# Altium PCB PCB.PcbDoc (part 2 of 2)
Units mm, origin at the board's own origin, x right, y up, seen from the top; angles counter-clockwise.
Board outline 26 x 50 mm, 4 copper layers (Top, GND, Power, Bottom), stack 0.785 mm thick; 138 components, 93 nets, 461 pads, 248 vias.
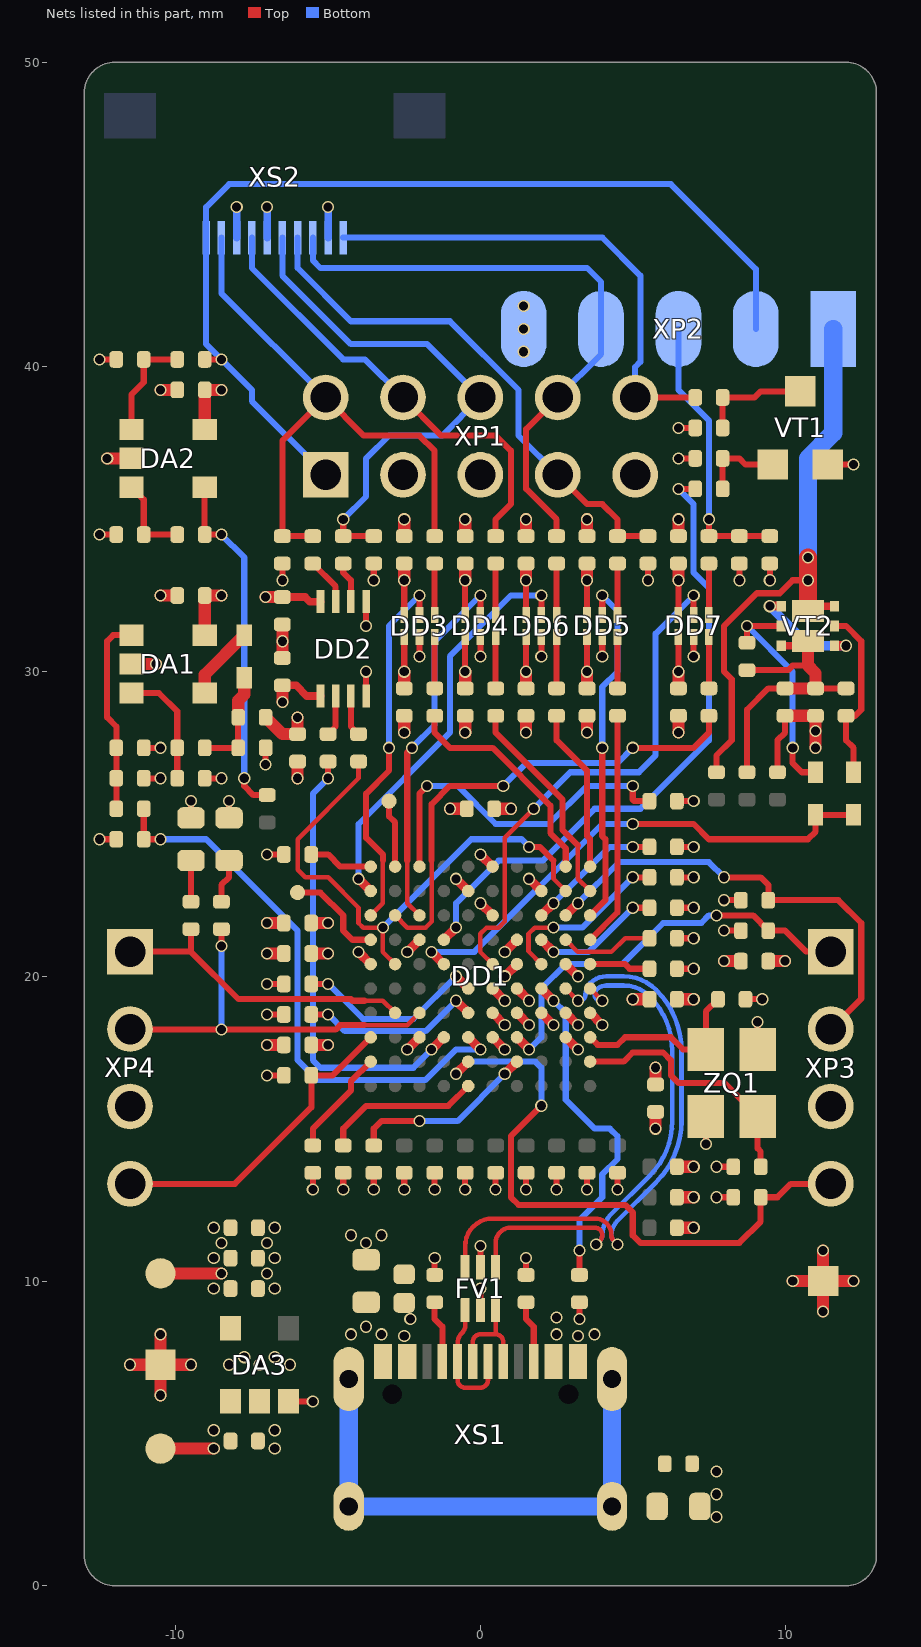
[diagram p4: the nets of this part, all layers, seen from the top]

## Via types
v1: diameter 0.4, hole 0.3, Top to Bottom, tented both sides, 248 vias

## Nets (pads, with @x,y where several pads share a name; then routed paths per layer and width w, separated by ;. In a path a pad name is that pad's centre, name@x,y a point inside that pad or via, vN(x,y) a via of type N, cw(c..) or ccw(c..) an arc to the next point about the centre after c; other vN are vias at no path point) (continued)
GND: C1.2 C2.1 C3.1 C4.1 C5.1 C6.1 C7.1 C8.1 C9.1 C10.1 C11.1 C12.1 C13.1 C14.1 C15.1 C16.1 C17.1 C18.1 C19.1 C20.1 C21.1 C22.1 C23.1 C24.1 C25.1 C26.1 C27.1 C28.1 C29.1 C30.1 C31.1 C32.2 C33.1 C34.1 C35.2 C36.2 C37.2 DA1.2 DA2.2 DA3.2 DD1.C2 DD1.C8 DD1.D3 DD1.D4 DD1.D5 DD1.F2 DD1.G4 DD1.G8 DD1.H5 DD1.J3 DD1.J6 DD2.4 DD2.5 DD3.2 DD4.2 DD5.2 DD6.2 DD7.2 FV1.2 KT5.1 KT6.1 R1.2 R2.1 R3.1 R4.1 R6.1 R7.1 R9.1 R11.1 R12.1 R17.2 R18.2 R19.2 R32.2 R42.1 R43.1 R44.1 R46.1 R47.1 R57.1 R59.2 R63.2 R64.2 R67.2 VT1.2 XP1.3 XP1.5 XP1.9 XP2.5 XP3.3 XP4.3 XS1.A1 XS1.A12 XS1.B1 XS1.B12 XS2.3 XS2.5 XS2.9 ZQ1.2 ZQ1.4 | length 56.1
  Top w0.2: v1(-12.5,24.5) R47.1@-11.95,24.5 ; v1(-12.5,34.5) R64.2@-11.95,34.5 ; v1(-12.5,40.25) R59.2@-11.95,40.25 ; C21.1@-11.05,26.5 v1(-10.5,26.5) ; R57.1@-11.05,27.5 v1(-10.5,27.5) ; R63.2@-9.05,26.5 v1(-8.5,26.5) ; v1(-7.05,26.95) R67.2@-7.05,27.5 ; v1(-7,24) R18.2@-6.45,24 ; v1(-6.5,33) R43.1@-6.5,33.55 ; DD2.4@-3.75,29.2 v1(-3.75,30) ; v1(-3.75,31.5) DD2.5@-3.75,32.3 ; v1(-3.5,33) R42.1@-3.5,33.55 ; v1(-2.5,13) R11.1@-2.5,13.55 ; v1(-2,30.5) DD3.2@-2,31.137 ; R3.1@-1.5,10.2 v1(-1.5,10.75) ; v1(-1.5,13) C7.1@-1.5,13.55 ; v1(-0.5,13) R12.1@-0.5,13.55 ; FV1.2@0,9.05 v1(0,9.75) ; v1(0,30.5) DD4.2@0,31.137 ; v1(0.5,13) C8.1@0.5,13.55 ; R2.1@1.5,10.2 v1(1.5,10.75) ; v1(1.5,13) R7.1@1.5,13.55 ; v1(2,30.5) DD6.2@2,31.137 ; v1(2.5,13) C5.1@2.5,13.55 ; v1(3.5,13) R9.1@3.5,13.55 ; v1(4,30.5) DD5.2@4,31.137 ; v1(4.5,13) C6.1@4.5,13.55 ; v1(5.5,33) R44.1@5.5,33.55 ; R4.1@6.45,20.25 v1(7,20.25) ; R17.2@6.45,21.25 v1(7,21.25) ; R6.1@6.45,23.25 v1(7,23.25) ; R19.2@6.45,25.75 v1(7,25.75) ; v1(6.5,37) R32.2@7.05,37 ; v1(7,30.5) DD7.2@7,31.137 ; v1(7.4,14.5) ZQ1.2@7.4,15.4 ; v1(7.75,13.75) C4.1@8.3,13.75 ; v1(8.5,33) R46.1@8.5,33.55 ; C3.1@8.7,19.25 v1(9.25,19.25) ; ZQ1.4@9.1,17.6 v1(9.1,18.5) ; VT1.2@11.4,36.8 v1(12.25,36.8)
  Top w0.3: v1(-2.4,17.6) DD1.C8@-2,18 ; v1(-2.4,20.8) DD1.G8@-2,21.2 ; v1(-0.8,23.2) DD1.J6@-0.4,22.8 ; v1(0,22.4) DD1.H5@0.4,22 ; DD1.D5@0.4,18.8 v1(0.8,18.4) ; v1(0.8,20.8) DD1.G4@1.2,21.2 ; DD1.D4@1.2,18.8 v1(1.6,18.4) ; v1(1.6,23.2) DD1.J3@2,22.8 ; DD1.D3@2,18.8 v1(2.4,18.4) ; DD1.C2@2.8,18 v1(3.2,17.6) ; DD1.F2@2.8,20.4 v1(3.2,20)
  Top w0.4: v1(-12.25,37) DA2.2@-11.45,37 ; v1(-11.5,7.25) KT6.1@-10.5,7.25 ; DA1.2@-11.45,30.25 v1(-10.65,30.25) ; v1(-10.5,6.25) KT6.1@-10.5,7.25 ; v1(-10.5,8.25) KT6.1@-10.5,7.25 ; v1(-10.5,32.5) C23.1@-9.95,32.5 ; v1(-10.5,39.25) C24.1@-9.95,39.25 ; v1(-9.5,7.25) KT6.1@-10.5,7.25 ; v1(-7,17.75) C31.1@-6.45,17.75 ; v1(-7,20.75) C25.1@-6.45,20.75 ; v1(-7,21.75) C27.1@-6.45,21.75 ; C9.1@-6.5,30.45 C15.1@-6.5,31.55 ; v1(-6,26.5) C22.1@-6,27.05 ; v1(-2.5,28) C10.1@-2.5,28.55 ; C16.1@-2.5,34.45 v1(-2.5,35) ; v1(-0.5,28) C12.1@-0.5,28.55 ; C18.1@-0.5,34.45 v1(-0.5,35) ; C29.1@0.45,25.5 v1(1,25.5) ; v1(1.5,28) C13.1@1.5,28.55 ; C19.1@1.5,34.45 v1(1.5,35) ; v1(3.5,28) C14.1@3.5,28.55 ; C20.1@3.5,34.45 v1(3.5,35) ; v1(5.75,15) C26.1@5.75,15.55 ; C34.1@6.45,12.75 v1(7,12.75) ; C33.1@6.45,13.75 v1(7,13.75) ; C30.1@6.45,19.25 v1(7,19.25) ; v1(6.5,28) C11.1@6.5,28.55 ; C17.1@6.5,34.45 v1(6.5,35) ; C28.1@9.45,20.5 v1(10,20.5) ; v1(10.25,10) KT5.1@11.25,10 ; v1(11.25,9) KT5.1@11.25,10 ; v1(11.25,11) KT5.1@11.25,10 ; v1(12.25,10) KT5.1@11.25,10
  Bottom w0.25: XS2.3@-8,44.25 v1(-8,45.25) ; XS2.5@-7,44.25 v1(-7,45.25) ; XS2.9@-5,44.25 v1(-5,45.25)
  other v1: 7.75,2.25 7.75,3 7.75,3.75 -6.75,4.5 -6.75,5.1 -8.25,7.25 -7.25,7.25 -6.25,7.25 -7.75,7.5 -6.75,7.5 3.2,8.2 -4.25,8.25 -3.25,8.25 3.75,8.25 -3.75,8.5 -6.75,9.75 -7,10.25 -6.75,10.75 -7,11.25 -6.75,11.75 -6.5,31 1.42,40.5 1.42,41.25 1.42,42
I2C_SCL: DD1.D6 R8.2 | length 6
  Top w0.2: R8.2@-5.55,18.75 v1(-5,18.75)
  Top w0.3: v1(-0.8,19.2) DD1.D6@-0.4,18.8
  Bottom w0.2: v1(-5,18.75) -4.45,18.2 -1.8,18.2 v1(-0.8,19.2)
I2C_SDA: DD1.E6 R10.2 | length 6.4
  Top w0.2: R10.2@-5.55,19.75 v1(-5,19.75)
  Top w0.3: v1(-0.8,20) DD1.E6@-0.4,19.6
  Bottom w0.2: v1(-5,19.75) -3.85,18.6 -2.2,18.6 v1(-0.8,20)
ISEN: R14.1 R48.2 R49.2 R53.2 R56.2 VT2.6 | length 10.3
  Top w0.2: R14.1@8.75,26.7 8.75,28.75 9.45,29.45 R48.2@10,29.45 ; R53.2@8.75,30.05 10.1,30.05 10.25,30.2 10.75,30.2 ; R49.2@11,29.45 R56.2@12,29.45
  Top w0.25: VT2.6@9.875,30.85 10.59,30.85 VT2.6@10.75,31.01
  Top w0.4: R48.2@10,29.45 R49.2@11,29.45 11,29.95 10.75,30.2 VT2.6@10.75,31.01
JTAG_RST: R41.2 XP1.10 XS2.10 | length 16.3
  Top w0.2: XP1.10@5.08,39 R41.2@7.05,39
  Bottom w0.2: XS2.10@-4.5,44.25 4,44.25 5.25,43 5.25,40.17 5.08,40 XP1.10@5.08,39
JTAG_RTCK: R38.2 R44.2 XP1.7 XS2.7 | length 17.3
  Top w0.2: XP1.7@2.54,36.46 3.5,35.5 4,35.5 4.5,35 R38.2@4.5,34.45 R44.2@5.5,34.45
  Bottom w0.2: XS2.7@-6,44.25 -6,43.25 -4.25,41.5 -1,41.5 1.25,39.25 1.25,37.75 XP1.7@2.54,36.46
JTAG_TCK: R37.2 XP1.4 XS2.4 | length 15
  Top w0.2: XP1.4@-2.54,39 -1.29,37.75 0.5,37.75 1,37.25 1,35.5 0.5,35 R37.2@0.5,34.45
  Bottom w0.2: XS2.4@-7.5,44.25 -7.5,43.25 -4.5,40.25 -3.79,40.25 XP1.4@-2.54,39
JTAG_TDI: R39.2 XP1.8 XP2.4 XS2.8 | length 20.3
  Top w0.2: R39.2@2.5,34.45 2.5,35 1.5,36 1.5,37.96 XP1.8@2.54,39
  Bottom w0.2: XS2.8@-5.5,44.25 -5.5,43.5 -5.25,43.25 3.5,43.25 3.96,42.79 XP2.4@3.96,41.25 3.96,40.42 XP1.8@2.54,39
JTAG_TDO: R35.2 R42.2 XP1.6 XS2.6 | length 17.8
  Top w0.2: v1(-4.5,35) R35.2@-4.5,34.45 R42.2@-3.5,34.45
  Bottom w0.2: XS2.6@-6.5,44.25 -6.5,43 -4.25,40.75 -1.75,40.75 XP1.6@0,39 -1.25,37.75 -3,37.75 -3.75,37 -3.75,35.75 v1(-4.5,35)
JTAG_TMS: R34.2 R36.2 R43.2 XP1.2 XS2.2 | length 19.9
  Top w0.2: R34.2@-5.5,34.45 R43.2@-6.5,34.45 -6.5,37.58 XP1.2@-5.08,39 -3.83,37.75 -2,37.75 -1.5,37.25 R36.2@-1.5,34.45
  Bottom w0.2: XS2.2@-8.5,44.25 -8.5,42.42 XP1.2@-5.08,39
MCU_RST: DD1.B6 R62.1 XP3.4 | length 21.1
  Top w0.2: v1(2,15.75) 1,14.75 1,12.75 1.25,12.5 4.75,12.5 5,12.25 5,11.5 5.25,11.25 8.5,11.25 9.2,11.95 R62.1@9.2,12.75 9.75,12.75 10.19,13.19 XP3.4@11.5,13.19
  Top w0.3: v1(-0.8,16.8) DD1.B6@-0.4,17.2
  Bottom w0.2: v1(-0.8,16.8) -0.4,17.2 1.8,17.2 2,17 v1(2,15.75)
MCU_TCK: DD1.H2 R58.1 XP3.2 | length 15.4
  Top w0.2: v1(8,23.25) 9.2,23.25 9.45,23 R58.1@9.45,22.5 11.75,22.5 12.5,21.75 12.5,19.27 XP3.2@11.5,18.27
  Top w0.3: DD1.H2@2.8,22 v1(3.2,22.4)
  Bottom w0.2: v1(3.2,22.4) 4.55,23.75 7.5,23.75 v1(8,23.25)
MCU_TDI: DD1.G3 R52.1 | length 4.3
  Top w0.2: v1(5,22.25) R52.1@5.55,22.25
  Top w0.3: DD1.G3@2,21.2 v1(2.4,20.8)
  Bottom w0.2: v1(2.4,20.8) 3.55,20.8 v1(5,22.25)
MCU_TDO: DD1.H3 R51.1 | length 4.5
  Top w0.2: v1(5,24.25) R51.1@5.55,24.25
  Top w0.3: DD1.H3@2,22 v1(2.4,22.4)
  Bottom w0.2: v1(2.4,22.4) 4.25,24.25 v1(5,24.25)
MCU_TMS: DD1.C4 R54.1 XP3.1 | length 13.7
  Top w0.2: v1(7.75,22) 8.95,22 R54.1@9.45,21.5 10,21.5 10.69,20.81 XP3.1@11.5,20.81
  Top w0.3: DD1.C4@1.2,18 v1(1.6,17.6)
  Bottom w0.2: v1(1.6,17.6) 2,18 2,19.6 2.8,20.4 3.6,20.4 4.65,20.4 6,21.75 7.25,21.75 7.5,22 v1(7.75,22)
MCU_TRST: DD1.B4 R61.1 | length 6.2
  Top w0.2: R61.1@-3.5,14.45 -3.5,15 -3.25,15.25 v1(-2,15.25)
  Top w0.3: v1(0.8,16.8) DD1.B4@1.2,17.2
  Bottom w0.2: v1(-2,15.25) -0.75,15.25 v1(0.8,16.8)
NetC3_2: C3.2 DD1.C1 ZQ1.1 | length 6
  Top w0.2: DD1.C1@3.6,18 3.85,17.75 4.5,17.75 4.75,18 6.25,18 6.65,17.6 ZQ1.1@7.4,17.6 7.4,18.85 C3.2@7.8,19.25
NetC4_2: C4.2 DD1.B1 ZQ1.3 | length 8.5
  Top w0.2: DD1.B1@3.6,17.2 4.7,17.2 5,17.5 6,17.5 6.25,17.25 6.25,16.75 6.5,16.5 8,16.5 ZQ1.3@9.1,15.4 9.1,14.35 9.2,14.25 C4.2@9.2,13.75
NetC21_2: C21.2 DA1.1 R50.1 R57.2 | length 6.5
  Top w0.2: R50.1@-11.95,25.5 C21.2@-11.95,26.5 R57.2@-11.95,27.5 -11.95,28.2 -12.25,28.5 -12.25,31 -12.05,31.2 DA1.1@-11.45,31.2
NetDA1_3: DA1.3 R63.1 R65.1 | length 3.9
  Top w0.2: DA1.3@-11.45,29.3 -10.55,29.3 -9.95,28.7 R65.1@-9.95,27.5 R63.1@-9.95,26.5
NetDA1_4: DA1.4 VD3.1 | length 2.4
  Top w0.4: DA1.4@-9.05,29.3 -9.05,29.9 VD3.1@-7.75,31.2
NetDA2_1: DA2.1 R55.2 R59.1 | length 3.6
  Top w0.2: DA2.1@-11.45,37.95 -11.45,39.1 -11.05,39.5 R59.1@-11.05,40.25 R55.2@-9.95,40.25
NetDA2_3: DA2.3 R64.1 R66.1 | length 2.8
  Top w0.2: DA2.3@-11.45,36.05 -11.05,35.65 R64.1@-11.05,34.5 R66.1@-9.95,34.5
NetDD1_A6: DD1.A6 R60.2 | length 5.2
  Top w0.2: R60.2@-4.5,14.45 -4.5,15 -3.75,15.75 -1.05,15.75 DD1.A6@-0.4,16.4
NetDD1_E3: DD1.E3 R5.2 | length 11.2
  Top w0.2: R5.2@3.25,10.2 v1(3.25,11)
  Top w0.3: DD1.E3@2,19.6 v1(2.4,19.2)
  Bottom w0.2: v1(2.4,19.2) 2.8,18.8 2.8,15.95 3.75,15 4.25,15 4.5,14.75 4.5,14 4,13.5 4,12.75 3.25,12 v1(3.25,11)
NetDD1_F3: DD1.F3 R6.2 | length 5.9
  Top w0.15: DD1.F3@2,20.4 1.58,20.82 1.58,21.4 1.78,21.6 v1(2.4,21.6)
  Top w0.2: v1(5,23.25) R6.2@5.55,23.25
  Bottom w0.2: v1(2.4,21.6) 3.35,21.6 v1(5,23.25)
NetDD2_2: DD2.2 R24.2 | length 1.4
  Top w0.2: R24.2@-5,27.95 -4.75,28.2 DD2.2@-4.75,29.2
NetDD2_3: DD2.3 R25.2 | length 1.4
  Top w0.2: DD2.3@-4.25,29.2 -4.25,28.2 R25.2@-4,27.95
NetDD2_6: DD2.6 R35.1 | length 1.4
  Top w0.2: R35.1@-4.5,33.55 -4.5,33.25 -4.25,33 DD2.6@-4.25,32.3
NetDD2_7: DD2.7 R34.1 | length 1.6
  Top w0.2: R34.1@-5.5,33.55 -4.75,32.8 DD2.7@-4.75,32.3
NetDD3_3: DD3.3 R26.2 | length 1.7
  Top w0.2: R26.2@-1.5,29.45 DD3.3@-1.5,31.137
NetDD3_4: DD3.4 R36.1 | length 1.7
  Top w0.2: DD3.4@-1.5,31.862 R36.1@-1.5,33.55
NetDD4_3: DD4.3 R27.2 | length 1.7
  Top w0.2: R27.2@0.5,29.45 DD4.3@0.5,31.137
NetDD4_4: DD4.4 R37.1 | length 1.7
  Top w0.2: DD4.4@0.5,31.862 R37.1@0.5,33.55
NetDD5_3: DD5.3 R28.2 | length 1.7
  Top w0.2: R28.2@4.5,29.45 DD5.3@4.5,31.137
NetDD5_4: DD5.4 R38.1 | length 1.7
  Top w0.2: DD5.4@4.5,31.862 R38.1@4.5,33.55
NetDD6_3: DD6.3 R29.2 | length 1.7
  Top w0.2: R29.2@2.5,29.45 DD6.3@2.5,31.137
NetDD6_4: DD6.4 R39.1 | length 1.7
  Top w0.2: DD6.4@2.5,31.862 R39.1@2.5,33.55
NetDD7_3: DD7.3 R30.2 | length 1.7
  Top w0.2: R30.2@7.5,29.45 DD7.3@7.5,31.137
NetDD7_4: DD7.4 R40.1 | length 1.7
  Top w0.2: DD7.4@7.5,31.863 R40.1@7.5,33.55
NetFP1_1: FP1.1 XS1.A4 XS1.A9 XS1.B4 XS1.B9
  other v1: -2.5,8.2 2.5,8.25 -2.3,8.75 2.5,8.8
NetHL1_2: HL1.2 R20.2 | length 1.4
  Top w0.2: R20.2@-9.5,22.45 HL1.2@-9.5,23.8
NetHL2_2: HL2.2 R22.2 | length 1.5
  Top w0.2: R22.2@-8.5,22.45 -8.5,23 -8.25,23.25 HL2.2@-8.25,23.8
NetR2_2: R2.2 XS1.B5 | length 2
  Top w0.2: R2.2@1.5,9.3 1.5,8.75 1.75,8.5 XS1.B5@1.75,7.355
NetR3_2: R3.2 XS1.A5 | length 2
  Top w0.2: R3.2@-1.5,9.3 -1.5,8.75 -1.25,8.5 XS1.A5@-1.25,7.355
NetR31_2: R31.2 R32.1 VT1.1 | length 2.7
  Top w0.2: R31.2@7.95,36 R32.1@7.95,37 8.5,37 8.7,36.8 VT1.1@9.6,36.8
NetR33_1: R33.1 R41.1 VT1.3 | length 3.6
  Top w0.2: R33.1@7.95,38 R41.1@7.95,39 9,39 9.2,39.2 VT1.3@10.5,39.2
NetR53_1: R53.1 VD2.1 VT2.5 | length 7.7
  Top w0.2: R53.1@8.75,30.95 v1(8.75,31.5) VT2.5@9.875,31.5 ; v1(10.25,27.5) 10.25,27 10.55,26.7 VD2.1@11,26.7
  Bottom w0.2: v1(8.75,31.5) 10.25,30 v1(10.25,27.5)
NetR56_1: R56.1 VD1.1 VT2.2 | length 5.9
  Top w0.2: VT2.2@11.625,31.5 12,31.5 12.5,31 12.5,28.75 12.3,28.55 R56.1@12,28.55 12,27.75 12.25,27.5 VD1.1@12.25,26.7
NetR65_2: R65.2 R67.1 R68.1 VD3.2 | length 3.5
  Top w0.2: R65.2@-9.05,27.5 R67.1@-7.95,27.5 R68.1@-7.95,28.5
  Top w0.4: R68.1@-7.95,28.5 -7.95,29.05 -7.75,29.25 VD3.2@-7.75,29.8
NetVT2_1: VT2.1 VT2.4 | length 3.8
  Top w0.3: v1(9.5,32.15) VT2.4@9.875,32.15 ; VT2.1@11.625,30.85 v1(12,30.85)
  Bottom w0.3: v1(9.5,32.15) 10.8,30.85 v1(12,30.85)
P0_0: DD1.G2 R17.1 | length 3.1
  Top w0.15: DD1.G2@2.8,21.2 3.2,20.8 4.3,20.8 4.75,21.25 R17.1@5.55,21.25
P0_1: DD1.G1 R28.1 | length 7.7
  Top w0.2: DD1.G1@3.6,21.2 4.5,22.1 R28.1@4.5,28.55
P1_0: DD1.H1 DD5.5 | length 11.8
  Top w0.2: DD1.H1@3.6,22 4.1,22.5 4.1,24.5 4,24.6 v1(4,27.5) ; DD5.5@4,31.862 v1(4,32.5)
  Bottom w0.2: v1(4,27.5) 4,29.5 4.5,30 4.5,32 v1(4,32.5)
P1_1: DD1.K2 R26.1 | length 7.6
  Top w0.2: R26.1@-1.5,28.55 -1.5,28 -1,27.5 0.4,27.5 2.3,25.6 2.3,24.7 2.8,24.2 DD1.K2@2.8,23.6
P1_2: DD1.K1 R29.1 | length 5.4
  Top w0.2: R29.1@2.5,28.55 2.5,27.75 3.5,26.75 3.5,24.6 3.6,24.5 DD1.K1@3.6,23.6
P1_3: DD1.J1 R27.1 | length 7
  Top w0.15: 3.2,24.3 3.2,23.2 DD1.J1@3.6,22.8
  Top w0.2: R27.1@0.5,28.55 0.5,28 2.7,25.8 2.7,24.8 3.2,24.3
P1_13: DD1.H8 DD4.5 | length 12.3
  Top w0.15: -2.4,23.8 -2.4,22.4 DD1.H8@-2,22
  Top w0.2: -2.4,23.8 -2.4,27.35 v1(-2.25,27.5) ; DD4.5@0,31.862 v1(0,32.5)
  Bottom w0.2: v1(-2.25,27.5) -1.5,28.25 -1.5,31 v1(0,32.5)
P1_15: DD1.K8 R19.1 | length 11.6
  Top w0.2: DD1.K8@-2,23.6 -2,26 v1(-1.75,26.25) ; v1(5,26.25) 5,25.8 5.05,25.75 R19.1@5.55,25.75
  Bottom w0.2: v1(-1.75,26.25) -0.75,26.25 0.5,25 2.25,25 3.5,26.25 v1(5,26.25)
P1_16: DD1.H9 R30.1 | length 15.9
  Top w0.15: DD1.H9@-2.8,22 -2.4,21.6 -1.8,21.6 -1.6,21.8 -1.6,23.8
  Top w0.2: -1.6,23.8 -1.6,25.65 -1,26.25 v1(0.75,26.25) ; v1(5,27.5) 7,27.5 7.5,28 R30.1@7.5,28.55
  Bottom w0.2: v1(0.75,26.25) 1.5,27 4.5,27 v1(5,27.5)
P1_17: DD1.H10 DD3.5 | length 12.3
  Top w0.15: DD1.H10@-3.6,22 -3.2,22.4 -3.2,23.8
  Top w0.2: -3.2,23.8 -3.2,24 -3.75,24.55 -3.75,26 -3,26.75 v1(-3,27.5) ; DD3.5@-2,31.862 v1(-2,32.5)
  Bottom w0.2: v1(-3,27.5) -3,31.5 v1(-2,32.5)
P1_18: DD1.J10 DD6.5 | length 13.6
  Top w0.2: DD6.5@2,31.862 v1(2,32.5)
  Top w0.3: v1(-4,23.2) DD1.J10@-3.6,22.8
  Bottom w0.2: v1(-4,23.2) -4,25 -1,28 -1,30.5 1,32.5 v1(2,32.5)
P1_19: DD1.K9 KT2.1 | length 2.2
  Top w0.2: KT2.1@-3,25.75 -3,25.25 -2.8,25.05 DD1.K9@-2.8,23.6
P1_20: DD1.K10 R18.1 | length 2.1
  Top w0.2: R18.1@-5.55,24 -5,24 -4.6,23.6 DD1.K10@-3.6,23.6
P2_0: DD1.G10 KT1.1 | length 3.3
  Top w0.2: KT1.1@-6,22.75 -5.25,22.75 -4.5,22 -4.5,21.5 -4.2,21.2 DD1.G10@-3.6,21.2
P2_1: DD1.G7 R31.1 | length 21.1
  Top w0.2: v1(6.5,36) R31.1@7.05,36
  Top w0.3: DD1.G7@-1.2,21.2 v1(-0.8,21.6)
  Bottom w0.2: v1(-0.8,21.6) -0.8,22.4 0.6,23.8 2.05,23.8 3.75,25.5 5.25,25.5 7.5,27.75 7.5,32.75 7,33.25 7,35.5 v1(6.5,36)
P2_2: DD1.F5 DD7.5 | length 17.4
  Top w0.15: DD1.F5@0.4,20.4 0,20.8 0,21.4 0.2,21.6 0.6,21.6 0.8,21.8 0.8,24.55 v1(1.75,25.5)
  Top w0.2: DD7.5@7,31.863 v1(7,32.5)
  Bottom w0.2: v1(1.75,25.5) 2.95,26.7 5.2,26.7 5.75,27.25 5.75,31.25 v1(7,32.5)
P2_3: DD1.D8 R22.1 XP4.2 | length 13
  Top w0.15: -3.8,18.4 -2.4,18.4 DD1.D8@-2,18.8
  Top w0.2: XP4.2@-11.5,18.27 -11.48,18.25 v1(-8.5,18.25) -4.75,18.25 -4.6,18.4 -3.8,18.4 ; v1(-8.5,21) R22.1@-8.5,21.55
  Bottom w0.2: v1(-8.5,18.25) v1(-8.5,21)
P2_4: DD1.D9 R20.1 XP4.1 | length 10.3
  Top w0.15: -3.8,19.2 -3.2,19.2 DD1.D9@-2.8,18.8
  Top w0.2: XP4.1@-11.5,20.81 -9.5,20.81 ; R20.1@-9.5,21.55 -9.5,20.81 ; -3.8,19.2 -4.2,19.2 -4.25,19.25 -7.94,19.25 -9.5,20.81
P2_7: DD1.C10 R21.2 XP4.4 | length 10.5
  Top w0.2: XP4.4@-11.5,13.19 -8.06,13.19 -5.55,15.7 R21.2@-5.55,16.75 -4.85,16.75 DD1.C10@-3.6,18
P2_8: DD1.C6 R47.2 R50.2 | length 18.8
  Top w0.2: R50.2@-11.05,25.5 R47.2@-11.05,24.5 v1(-10.5,24.5)
  Top w0.3: DD1.C6@-0.4,18 v1(0,17.6)
  Bottom w0.2: v1(-10.5,24.5) -9,24.5 -6,21.5 -6,17.25 -5.35,16.6 -1.8,16.6 -0.8,17.6 v1(0,17.6)
P2_9: DD1.B10 R23.2 | length 3.5
  Top w0.2: R23.2@-5.5,14.45 -5.5,15 -4.25,16.25 -4.25,16.55 DD1.B10@-3.6,17.2
P3_1: DD1.F7 VD1.2 VD2.2 | length 17
  Top w0.2: v1(5,25) 7,25 7.5,24.5 10.75,24.5 11,24.75 VD2.2@11,25.3 VD1.2@12.25,25.3
  Top w0.3: v1(-1.6,20.8) DD1.F7@-1.2,20.4
  Bottom w0.2: v1(-1.6,20.8) -0.2,20.8 4,25 v1(5,25)
P3_6: DD1.C7 R24.1 | length 14.8
  Top w0.2: v1(-5,26.5) R24.1@-5,27.05
  Top w0.3: v1(-1.6,17.6) DD1.C7@-1.2,18
  Bottom w0.2: v1(-5,26.5) -5.5,26 -5.5,17.25 -5.25,17 -2.2,17 v1(-1.6,17.6)
P6_5: DD1.F9 DD1.J2 R25.1 | length 17.9
  Top w0.15: R25.1@-4,27.05 -4,26.5 -6,24.5 -6,23.5 -5.75,23.25 -5,23.25 -4,22.25 -4,21.75 -3.85,21.6 v1(-3.2,21.6) -3.2,20.8 DD1.F9@-2.8,20.4 ; 2.4,23.8 2.4,23.2 DD1.J2@2.8,22.8
  Top w0.2: v1(1.6,24.25) 1.95,24.25 2.4,23.8
  Bottom w0.2: v1(-3.2,21.6) -0.3,24.5 1.35,24.5 v1(1.6,24.25)
PTARGET: R16.1 VT2.3 XP2.1 | length 19.8
  Top w0.2: R16.1@7.75,26.7 7.75,27.25 8.25,27.75 8.25,29.75 8,30 8,31.5 9.075,32.575 9.825,32.575 10.25,33 v1(10.75,33)
  Top w0.25: VT2.3@10.75,31.99 10.91,32.15 VT2.3@11.625,32.15
  Top w0.6: VT2.3@10.75,31.99 v1(10.75,33) v1(10.75,33.75)
  Bottom w0.6: v1(10.75,33) v1(10.75,33.75) 10.75,37 11.58,37.83 XP2.1@11.58,41.25
SH: C1.1 R1.1 XS1.SH | length 17
  Bottom w0.6: XS1.SH@-4.32,6.78 XS1.SH@-4.32,2.6 XS1.SH@4.32,2.6 XS1.SH@4.32,6.78
USB_D_N: DD1.E2 FV1.6 | length 19.9
  Top w0.15: FV1.6@-0.5,10.45 -0.5,11.15 cw(c0.4,11.15) 0.4,12.05 3.759,12.05 cw(c3.759,11.509) 4.3,11.509 4.3,11.498 ccw(c4.541,11.498) 4.371,11.328 v1(4.5,11.198) ; DD1.E2@2.8,19.6 v1(3.2,19.2)
  Bottom w0.15: v1(3.2,19.2) 3.25,19.2 ccw(c3.25,19.4) 3.45,19.4 3.45,19.402 cw(c3.987,19.402) 3.607,19.782 3.609,19.784 cw(c4.132,19.261) 3.611,19.785 cw(c4.132,19.261) 4.132,20 4.7,20 cw(c4.7,18.494) 5.765,19.559 5.772,19.553 cw(c3.772,17.553) 6.6,17.553 6.6,15.248 cw(c3.769,15.248) 5.771,13.247 4.495,11.971 ccw(c4.966,11.5) 4.3,11.5 4.3,11.498 ccw(c4.541,11.498) 4.371,11.328 v1(4.5,11.198)
USB_D_P: DD1.E1 FV1.4 | length 17.3
  Top w0.15: FV1.4@0.5,10.45 0.5,11.25 cw(c1,11.25) 1,11.75 3.759,11.75 cw(c3.759,11.509) 4,11.509 4,11.5 cw(c3.759,11.5) 3.929,11.329 v1(3.8,11.2) ; DD1.E1@3.6,19.6 v1(4,19.2)
  Bottom w0.15: v1(3.8,11.2) 3.929,11.329 ccw(c3.759,11.5) 4,11.5 4,11.502 cw(c4.962,11.502) 4.282,12.182 5.556,13.456 ccw(c3.76,15.252) 6.3,15.252 6.3,17.548 ccw(c3.76,17.548) 5.556,19.344 ccw(c4.696,18.484) 4.696,19.7 4.133,19.7 ccw(c4.133,19.259) 3.821,19.571 ccw(c3.991,19.4) 3.75,19.4 ccw(c3.95,19.4) 3.95,19.2 v1(4,19.2)
USB_DD_N: FV1.1 XS1.A7 XS1.B7 | length 4.3
  Top w0.15: FV1.1@-0.5,9.05 -0.5,8.541 cw(c-0.841,8.541) -0.6,8.3 ccw(c-0.238,7.938) -0.75,7.938 XS1.B7@-0.75,7.355 -0.75,6.75 ccw(c-0.5,6.75) -0.5,6.5 0,6.5 ccw(c0,6.75) 0.25,6.75 XS1.A7@0.25,7.355
USB_DD_P: FV1.3 XS1.A6 XS1.B6 | length 3.4
  Top w0.15: XS1.A6@-0.25,7.355 -0.25,8 cw(c0,8) 0,8.25 0.5,8.25 ; FV1.3@0.5,9.05 0.5,8.25 ; XS1.B6@0.75,7.355 0.75,8 ccw(c0.5,8) 0.5,8.25
USB_ID: DD1.F1 R4.2 | length 2
  Top w0.2: DD1.F1@3.6,20.4 4.75,20.4 4.9,20.25 R4.2@5.55,20.25
VBUS: C2.2 C23.2 C24.2 C32.1 DA1.5 DA2.5 DA3.1 DA3.3 FP1.2 FV1.5 KT3.1 R5.1 R13.1 R48.1 R49.1 | length 11.5
  Top w0.2: DA3.3@-6.3,6.05 v1(-5.5,6.05) ; FV1.5@0,10.45 v1(0,11.15) ; v1(3.25,8.75) R5.1@3.25,9.3 ; R13.1@9.75,26.7 9.75,27.75 10,28 R48.1@10,28.55
  Top w0.4: KT3.1@-10.5,4.5 v1(-8.75,4.5) ; DA1.5@-9.05,31.2 C23.2@-9.05,32.5 v1(-8.5,32.5) ; DA2.5@-9.05,37.95 C24.2@-9.05,39.25 v1(-8.5,39.25) ; R48.1@10,28.55 R49.1@11,28.55 v1(11,28.05) v1(11,27.5)
  other v1: -8.75,5.1 -3.75,11.25 -4.25,11.5 -3.25,11.5
VCC3P3: C9.2 C10.2 C11.2 C12.2 C13.2 C14.2 C25.2 C26.2 C27.2 C28.2 C29.2 C30.2 C31.2 C35.1 C36.1 C37.1 DA3.5 DD1.C5 DD1.D1 DD1.D2 DD1.E4 DD1.E5 DD1.F4 DD1.F10 DD1.K5 DD2.1 DD3.1 DD4.1 DD5.1 DD6.1 DD7.1 HL1.1 HL2.1 KT4.1 L1.1 R8.1 R10.1 R21.1 R23.1 R51.2 R52.2 R54.2 R58.2 R60.1 R61.2 R62.2 | length 28.5
  Top w0.2: HL1.1@-9.5,25.2 v1(-9.5,25.75) ; HL2.1@-8.25,25.2 v1(-8.25,25.75) ; v1(-7,16.75) R21.1@-6.45,16.75 ; v1(-7,18.75) R8.1@-6.45,18.75 ; v1(-7,19.75) R10.1@-6.45,19.75 ; v1(-5.5,13) R23.1@-5.5,13.55 ; v1(-4.5,13) R60.1@-4.5,13.55 ; v1(-3.5,13) R61.2@-3.5,13.55 ; v1(-2.5,30) DD3.1@-2.5,31.137 ; v1(-0.5,30) DD4.1@-0.5,31.137 ; v1(1.5,30) DD6.1@1.5,31.137 ; v1(3.5,30) DD5.1@3.5,31.137 ; R52.2@6.45,22.25 v1(7,22.25) ; R51.2@6.45,24.25 v1(7,24.25) ; v1(6.5,30) DD7.1@6.5,31.137 ; v1(7.75,12.75) R62.2@8.3,12.75 ; v1(8,21.5) R54.2@8.55,21.5 ; v1(8,22.5) R58.2@8.55,22.5
  Top w0.25: C9.2@-6.5,29.55 -6.05,29.55 -5.7,29.2 DD2.1@-5.25,29.2
  Top w0.3: v1(-4,20.8) DD1.F10@-3.6,20.4 ; v1(0,24) DD1.K5@0.4,23.6 ; DD1.C5@0.4,18 v1(0.8,17.6) ; DD1.E5@0.4,19.6 v1(0.8,19.2) ; v1(0.8,20) DD1.F4@1.2,20.4 ; DD1.E4@1.2,19.6 v1(1.6,19.2) ; DD1.D2@2.8,18.8 v1(3.2,18.4) ; DD1.D1@3.6,18.8 v1(4,18.4)
  Top w0.4: KT4.1@-10.5,10.25 v1(-8.5,10.25) ; v1(-6.5,29) C9.2@-6.5,29.55 ; C31.2@-5.55,17.75 v1(-5,17.75) ; C25.2@-5.55,20.75 v1(-5,20.75) ; C27.2@-5.55,21.75 v1(-5,21.75) ; C10.2@-2.5,29.45 v1(-2.5,30) ; v1(-1,25.5) C29.2@-0.45,25.5 ; C12.2@-0.5,29.45 v1(-0.5,30) ; C13.2@1.5,29.45 v1(1.5,30) ; C14.2@3.5,29.45 v1(3.5,30) ; v1(5,19.25) C30.2@5.55,19.25 ; C26.2@5.75,16.45 v1(5.75,17) ; L1.1@6.45,11.75 v1(7,11.75) ; C11.2@6.5,29.45 v1(6.5,30) ; v1(8,20.5) C28.2@8.55,20.5
  other v1: -8.75,9.75 -8.75,10.75 -8.5,11.25 -8.75,11.75
VCP_RX: R40.2 R45.1 R46.2 XP2.3 | length 9.2
  Top w0.2: v1(7.5,35) R40.2@7.5,34.45 R46.2@8.5,34.45 R45.1@9.5,34.45
  Bottom w0.2: XP2.3@6.5,41.25 6.5,39.25 7.5,38.25 v1(7.5,35)
VSEN: R55.1 XP1.1 XP2.2 XS2.1 | length 32.4
  Top w0.2: R55.1@-9.05,40.25 v1(-8.5,40.25)
  Bottom w0.2: XP1.1@-5.08,36.46 -7.5,38.88 -7.5,39.25 v1(-8.5,40.25) -9,40.75 XS2.1@-9,44.25 -9,45.25 -8.25,46 6.25,46 9.04,43.21 XP2.2@9.04,41.25
VSEN_ADC: DA2.4 R15.1 R66.2 | length 11.5
  Top w0.2: DA2.4@-9.05,36.05 R66.2@-9.05,34.5 v1(-8.5,34.5) ; v1(-7.75,26.5) -7.75,26.25 -7.45,25.95 R15.1@-7,25.95
  Bottom w0.2: v1(-8.5,34.5) -7.75,33.75 v1(-7.75,26.5)
VTARGET: C15.2 C16.2 C17.2 C18.2 C19.2 C20.2 C22.2 DD2.8 DD3.6 DD4.6 DD5.6 DD6.6 DD7.6 R33.2 R45.2 R68.2 | length 13.2
  Top w0.2: DD3.6@-2.5,31.862 v1(-2.5,33) ; DD4.6@-0.5,31.862 v1(-0.5,33) ; DD6.6@1.5,31.862 v1(1.5,33) ; DD5.6@3.5,31.862 v1(3.5,33) ; DD7.6@6.5,31.863 v1(6.5,33) ; v1(6.5,38) R33.2@7.05,38 ; v1(9.5,33) R45.2@9.5,33.55
  Top w0.25: C15.2@-6.5,32.45 -5.75,32.45 -5.6,32.3 DD2.8@-5.25,32.3
  Top w0.4: R68.2@-7.05,28.5 -6.5,27.95 C22.2@-6,27.95 v1(-6,28.5) ; v1(-7.05,32.45) C15.2@-6.5,32.45 ; v1(-2.5,33) C16.2@-2.5,33.55 ; v1(-0.5,33) C18.2@-0.5,33.55 ; v1(1.5,33) C19.2@1.5,33.55 ; v1(3.5,33) C20.2@3.5,33.55 ; v1(6.5,33) C17.2@6.5,33.55
pads on no net: DA3.4 DD1.A4 DD1.A5 DD1.A7 DD1.A8 DD1.A9 DD1.A10 DD1.B5 DD1.B7 DD1.B8 DD1.B9 DD1.C3 DD1.C9 DD1.D7 DD1.D10 DD1.E7 DD1.E8 DD1.E9 DD1.E10 DD1.F6 DD1.F8 DD1.G5 DD1.G6 DD1.G9 DD1.H4 DD1.H6 DD1.H7 DD1.J4 DD1.J5 DD1.J7 DD1.J8 DD1.J9 DD1.K3 DD1.K4 DD1.K6 DD1.K7 XS1.0 XS1.A8 XS1.B8 XS2.SH

## Polygon pours and split planes (outlines as drawn)
VCC3P3 on Top "NONET_L-01_P-001" (solid, remove dead copper, pour order 9): -7.9,8.1 -7.9,12 -8,12.1 -8.8,12.1 -9,11.9 -9,9.5 -8.6,9.1 -8.6,8.1
VBUS on Top "NONET_L-01_P-001" (solid, remove dead copper, pour order 8): -7.9,6.4 -7.9,4.5 -8.2,4.2 -8.8,4.2 -9,4.4 -9,6 -8.6,6.4
GND on Top "NONET_L-01_P-001" (solid, remove dead copper, pour order 7): -7.6,6.5 -8,6.9 -8.4,6.9 -8.5,7 -8.5,7.6 -8.4,7.7 -7.8,7.7 -7.6,7.9 -7.6,12 -7.5,12.1 -6.6,12.1 -6.5,12 -6.5,9.55 -6.9,9.15 -6.9,7.9 -6.7,7.7 -6.1,7.7 -6,7.6 -6,7 -6.1,6.9 -6.5,6.9 -6.9,6.5 -6.9,5.6 -6.5,5.2 -6.5,4.3 -6.6,4.2 -7.3,4.2 -7.6,4.5
GND on Top "NONET_L-01_P-001" (solid, remove dead copper, pour order 6): 6.7,4.3 6.7,2.3 7,2 7.8,2 8,2.2 8,3.8 7.5,4.3
SH on Top "NONET_L-01_P-001" (solid, remove dead copper, pour order 5): 6.3,4.3 6.3,2.3 5.8,1.8 4.3,1.8 4.3,3.4 5.2,4.3
VBUS on Top "NONET_L-01_P-001" (solid, remove dead copper, pour order 4): -2.125,10 -2.125,10.7 -3.125,11.7 -4.25,11.7 -4.45,11.5 -4.45,10.675 -3.65,9.875 -2.25,9.875 -3.65,9.875 -2.25,9.875
NetFP1_1 on Top "NONET_L-01_P-001" (solid, remove dead copper, pour order 3): -2.1,6.775 -2.7,6.775 -2.7,9.6 -2.225,9.6 -2.1,9.475 -2.1,7.65
GND on Top "NONET_L-01_P-001" (solid, remove dead copper, pour order 2): -2.9,6.775 -2.9,8.65 -3.25,9 -3.25,9.525 -3.375,9.65 -4.125,9.65 -4.45,9.325 -4.45,8.25 -4.25,8.05 -3.75,8.05 -3.5,7.8 -3.5,6.775
GND on Top "NONET_L-01_P-001" (solid, remove dead copper, pour order 1): 2.9,6.775 2.9,8.2 3.15,8.45 3.75,8.45 3.75,8.05 3.5,7.8 3.5,6.775
NetFP1_1 on Top "NONET_L-01_P-001" (solid, remove dead copper, pour order 0): 2.1,6.775 2.7,6.775 2.7,8.75 2.5,8.95 2.1,8.55 2.1,7.65
NetFP1_1 on Bottom "NONET_L-01_P-001" (solid, remove dead copper, pour order 10): 2.7,8.25 2.45,8 -2.5,8 -2.7,8.2 -2.7,8.75 -2.45,9 2.5,9 2.7,8.8
VCC3P3 on Power (split plane): -12,49.49 12,49.49 12.012,49.491 12.096,49.482 12.188,49.454 12.273,49.409 12.348,49.348 12.409,49.273 12.454,49.188 12.482,49.096 12.491,49.012 12.49,49 12.49,28.576 10.75,28.576 10.721,28.571 10.708,28.562 10.696,28.554 9.446,27.304 9.429,27.279 9.424,27.25 9.424,13.282 6.718,10.576 1.782,10.576 0.554,11.804 0.529,11.821 0.5,11.826 -4.75,11.826 -4.779,11.821 -4.804,11.804 -7.282,9.326 -8.968,9.326 -9.924,10.282 -9.924,26.968 -7.468,29.424 -6.282,29.424 -6.076,29.218 -6.076,29.032 -6.554,28.554 -6.571,28.529 -6.576,28.5 -6.576,28.25 -6.571,28.221 -6.554,28.196 -6.304,27.946 -6.279,27.929 -6.25,27.924 -5.5,27.924 -5.471,27.929 -5.446,27.946 -4.696,28.696 -4.686,28.711 -4.679,28.721 -4.674,28.75 -4.674,31.218 -4.468,31.424 8.75,31.424 8.779,31.429 8.804,31.446 10.304,32.946 10.312,32.958 10.321,32.971 10.326,33 10.326,33.75 10.321,33.779 10.304,33.804 10.054,34.054 10.029,34.071 10,34.076 9.282,34.076 8.826,34.532 8.826,38 8.821,38.029 8.804,38.054 8.304,38.554 8.279,38.571 8.25,38.576 6.5,38.576 6.471,38.571 6.446,38.554 5.946,38.054 5.929,38.029 5.924,38 5.924,34.532 5.468,34.076 -7.424,34.076 -7.424,39 -7.429,39.029 -7.436,39.039 -7.446,39.054 -8.196,39.804 -8.221,39.821 -8.25,39.826 -12.49,39.826 -12.49,49 -12.491,49.012 -12.482,49.096 -12.454,49.188 -12.409,49.273 -12.348,49.348 -12.273,49.409 -12.188,49.454 -12.096,49.482 -12.012,49.491
VBUS on Power (split plane): -7.576,38.968 -7.576,34 -7.576,29.532 -10.054,27.054 -10.071,27.029 -10.076,27 -10.076,10.25 -10.071,10.221 -10.054,10.196 -9.054,9.196 -9.042,9.188 -9.029,9.179 -9,9.174 -7.25,9.174 -7.221,9.179 -7.196,9.196 -4.718,11.674 0.468,11.674 1.696,10.446 1.708,10.438 1.721,10.429 1.75,10.424 6.75,10.424 6.779,10.429 6.804,10.446 9.554,13.196 9.571,13.221 9.576,13.25 9.576,27.218 10.782,28.424 12.49,28.424 12.49,1 12.491,0.988 12.482,0.904 12.454,0.812 12.409,0.727 12.348,0.652 12.273,0.591 12.188,0.546 12.096,0.518 12.012,0.509 12,0.51 -12,0.51 -12.012,0.509 -12.096,0.518 -12.188,0.546 -12.273,0.591 -12.348,0.652 -12.409,0.727 -12.454,0.812 -12.482,0.904 -12.491,0.988 -12.49,1 -12.49,39.674 -8.282,39.674
VTARGET on Power (split plane): 8.674,37.968 8.674,34.5 8.679,34.471 8.696,34.446 9.196,33.946 9.221,33.929 9.25,33.924 9.968,33.924 10.174,33.718 10.174,33.032 8.718,31.576 -4.5,31.576 -4.529,31.571 -4.554,31.554 -4.804,31.304 -4.821,31.279 -4.826,31.25 -4.826,28.782 -5.532,28.076 -6.218,28.076 -6.424,28.282 -6.424,28.468 -5.946,28.946 -5.929,28.971 -5.924,29 -5.924,29.25 -5.929,29.279 -5.946,29.304 -6.196,29.554 -6.221,29.571 -6.25,29.576 -7.424,29.576 -7.424,33.924 5.5,33.924 5.529,33.929 5.554,33.946 6.054,34.446 6.071,34.471 6.076,34.5 6.076,37.968 6.532,38.424 8.218,38.424
GND on GND (split plane): -12,49.49 12,49.49 12.012,49.491 12.096,49.482 12.188,49.454 12.273,49.409 12.348,49.348 12.409,49.273 12.454,49.188 12.482,49.096 12.491,49.012 12.49,49 12.49,1 12.491,0.988 12.482,0.904 12.454,0.812 12.409,0.727 12.348,0.652 12.273,0.591 12.188,0.546 12.096,0.518 12.012,0.509 12,0.51 -12,0.51 -12.012,0.509 -12.096,0.518 -12.188,0.546 -12.273,0.591 -12.348,0.652 -12.409,0.727 -12.454,0.812 -12.482,0.904 -12.491,0.988 -12.49,1 -12.49,49 -12.491,49.012 -12.482,49.096 -12.454,49.188 -12.409,49.273 -12.348,49.348 -12.273,49.409 -12.188,49.454 -12.096,49.482 -12.012,49.491

## Other copper
Power (plane layer: these items are gaps in the copper):
  lines w0.15: -13,39.75 -8.25,39.75 -7.5,39 -7.5,34 ; 13,28.5 10.75,28.5 9.5,27.25 9.5,13.25 6.75,10.5 1.75,10.5 0.5,11.75 -4.75,11.75 -7.25,9.25 -9,9.25 -10,10.25 -10,27 -7.5,29.5 ; -7.5,29.5 -6.25,29.5 -6,29.25 -6,29 -6.5,28.5 -6.5,28.25 -6.25,28 -5.5,28 -4.75,28.75 -4.75,31.25 -4.5,31.5 8.75,31.5 10.25,33 10.25,33.75 10,34 9.25,34 8.75,34.5 8.75,38 8.25,38.5 6.5,38.5 6,38 6,34.5 5.5,34 -7.5,34 ; -7.5,29.5 -7.5,34

## Silkscreen, mask and mechanical layers (free items; w line width, h text height)
Top Overlay:
  text "A_D" at 9.982,4.636 h1.5
  text "'.PCB_Week'" at 9.675,3.007 h1.5
  text "JLCJLCJLCJLC" at -3.215,1.974 h1.6
  text "Rev.'.GlobalProjectRevision'" at 9.109,1.757 h1.5
  text "'.GlobalProjectName'" at 7.222,0.507 h1.5
Bottom Overlay:
  lines w0.15: -7.75,34 7.75,34 ; -6.5,32.75 -6.5,35.25 ; -3.75,32.75 -3.75,35.25 ; -1.25,32.75 -1.25,35.25 ; 1,32.75 1,35.25 ; 3.75,32.75 3.75,35.25 ; 6.5,32.75 6.5,35.25
  text "TX" at 3.343,47.893 h2 r270
  text "RX" at 5.843,47.893 h2 r270
  text "GND" at 0.843,47.147 h2 r270
  text "TVCC" at 8.343,46.402 h2 r270
  text "PVCC" at 10.843,46.402 h2 r270
  text "GND" at -6.993,40.5 h1.5 r270
  text "TX" at -5.494,40.5 h1.5 r270
  text "RX" at -3.994,40.5 h1.5 r270
  text "TVCC" at -2.493,40.5 h1.5 r270
  text "PVCC" at -0.993,40.5 h1.5 r270
  text "2" at -7.5,35.25 h1.5 r180
  text "TMS" at -6,35.25 h1.5 r180
  text "TCK" at -3.5,35.25 h1.5 r180
  text "TDO" at -1,35.25 h1.5 r180
  text "TDI" at 1.5,35.25 h1.5 r180
  text "SRST" at 4,35.25 h1.5 r180
  text "10" at 6.75,35.25 h1.5 r180
  text "1" at -7.5,33.75 h1.5 r180
  text "TVCC" at -6.25,33.75 h1.5 r180
  text "GND" at -3.5,33.75 h1.5 r180
  text "GND" at -1,33.75 h1.5 r180
  text "RTCK" at 1.25,33.75 h1.5 r180
  text "GND" at 4.25,33.75 h1.5 r180
  text "9" at 7,33.75 h1.5 r180
1 - Board Outline:
  the board outline again, w0.2